# Altium PCB PCB2-v2.PcbDoc (part 7 of 8)
Units mil, origin at the board's own origin, x right, y up, seen from the top; angles counter-clockwise.
Board outline 4330.71 x 4330.71 mil, 2 copper layers (Top Layer, Bottom Layer); 153 components, 127 nets, 575 pads, 933 vias.
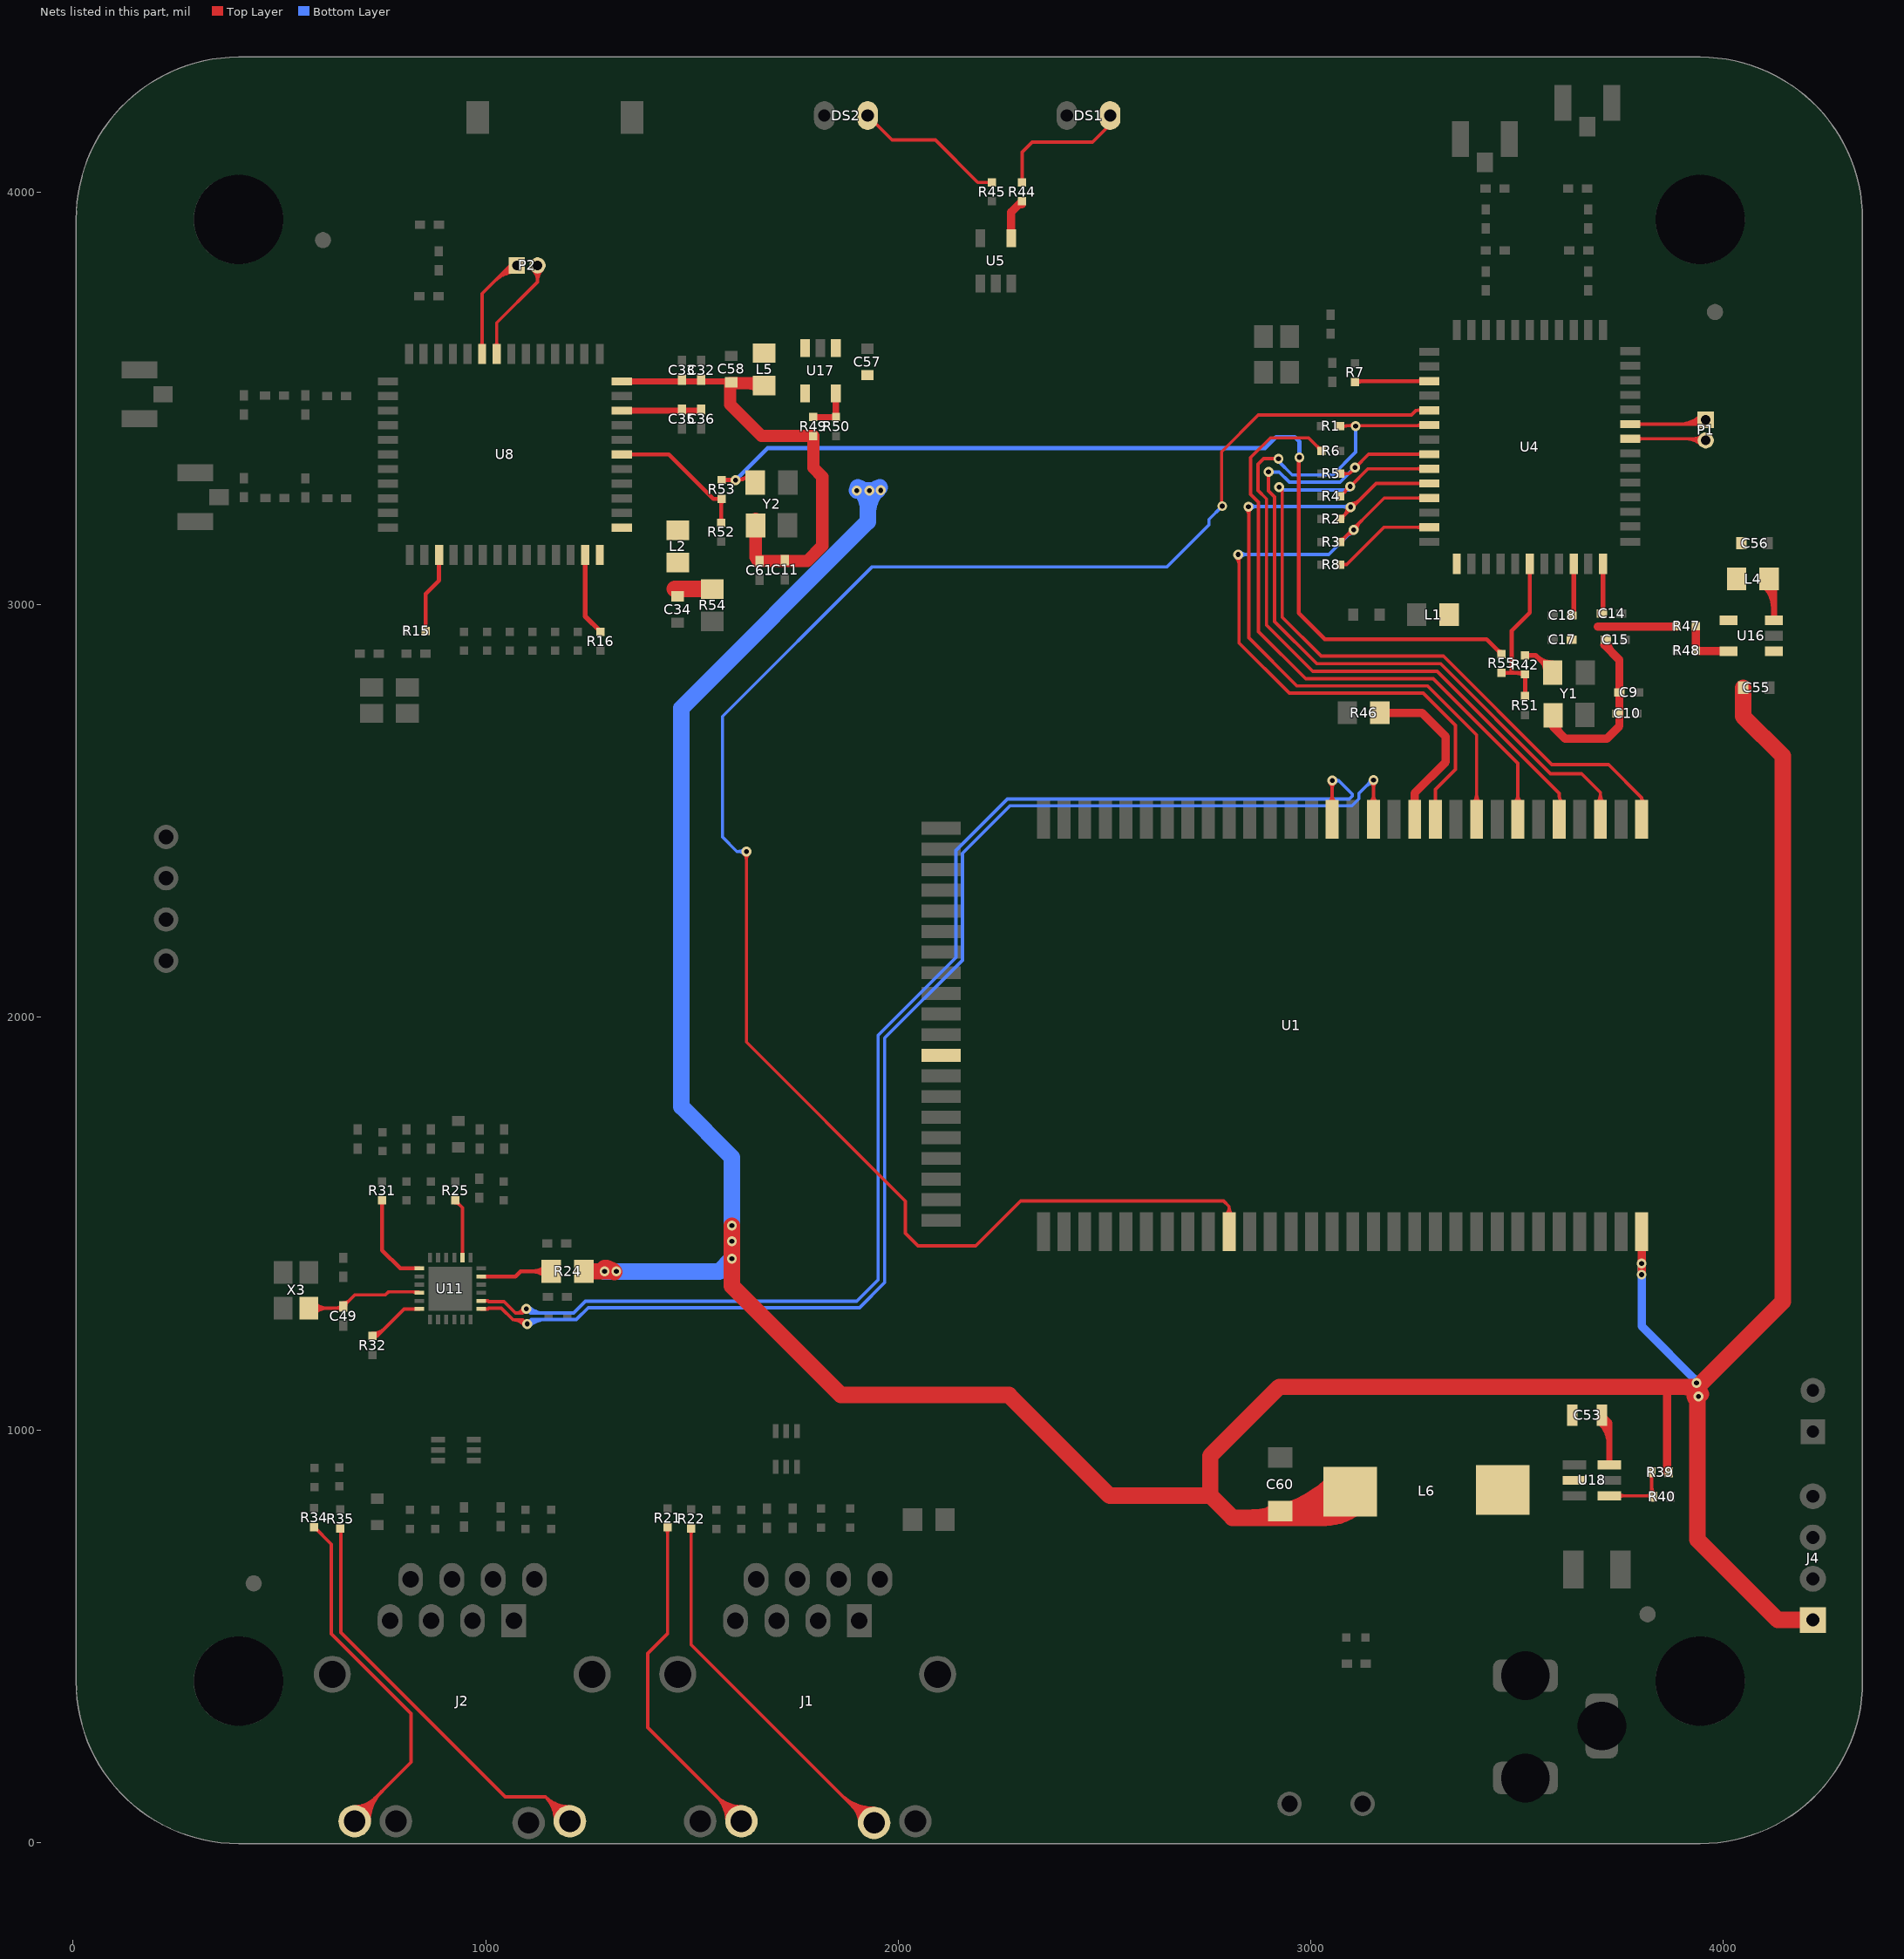
[diagram p7: the nets of this part, all layers, seen from the top]

## Via types
v1: diameter 24, hole 12, Top Layer to Bottom Layer, tented both sides, 931 vias
v2: diameter 78.74, hole 51.18, Top Layer to Bottom Layer, 2 vias

## Nets (pads, with @x,y where several pads share a name; then routed paths per layer and width w, separated by ;. In a path a pad name is that pad's centre, name@x,y a point inside that pad or via, vN(x,y) a via of type N, cw(c..) or ccw(c..) an arc to the next point about the centre after c; other vN are vias at no path point) (continued)
NetC49_1: C49.1 U11.22 X3.3 | length 938.9
  Top Layer w8: X3.3@571.54,1294.95 650.28,1294.95 C49.1@654.22,1298.89 682.33,1327 756.63,1327 763.96,1334.32 837.08,1334.32 U11.22@839.06,1332.35 ; X3.3@579.06,1287.43 cw(c597.22,1269.27) 597.22,1294.95 ; X3.3@579.06,1287.43 cw(c597.22,1269.27) 597.22,1294.95 ; X3.3@579.06,1287.43 cw(c597.22,1269.27) 597.22,1294.95 ; X3.3@579.06,1287.43 cw(c597.22,1269.27) 597.22,1294.95 ; X3.3@579.06,1302.47 ccw(c597.22,1320.63) 597.22,1294.95 ; X3.3@579.06,1302.47 ccw(c597.22,1320.63) 597.22,1294.95 ; X3.3@579.06,1302.47 ccw(c597.22,1320.63) 597.22,1294.95 ; X3.3@579.06,1302.47 ccw(c597.22,1320.63) 597.22,1294.95 ; X3.3@584.72,1281.77 cw(c616.54,1249.95) 616.54,1294.95 ; X3.3@584.72,1281.77 cw(c616.54,1249.95) 616.54,1294.95 ; X3.3@584.72,1281.77 cw(c616.54,1249.95) 616.54,1294.95 ; X3.3@584.72,1281.77 cw(c616.54,1249.95) 616.54,1294.95 ; X3.3@584.72,1308.13 ccw(c616.54,1339.94) 616.54,1294.95 ; X3.3@584.72,1308.13 ccw(c616.54,1339.94) 616.54,1294.95 ; X3.3@584.72,1308.13 ccw(c616.54,1339.94) 616.54,1294.95 ; X3.3@584.72,1308.13 ccw(c616.54,1339.94) 616.54,1294.95 ; 636.26,1294.95 ccw(c636.26,1314.34) C49.1@649.97,1300.63 ; 636.26,1294.95 ccw(c636.26,1314.34) C49.1@649.97,1300.63 ; 636.26,1294.95 ccw(c636.26,1314.34) C49.1@649.97,1300.63 ; 636.26,1294.95 ccw(c636.26,1314.34) C49.1@649.97,1300.63 ; 643.2,1294.95 cw(c643.2,1285.37) C49.1@649.97,1292.14 ; 643.2,1294.95 cw(c643.2,1285.37) C49.1@649.97,1292.14 ; 643.2,1294.95 cw(c643.2,1285.37) C49.1@649.97,1292.14 ; 643.2,1294.95 cw(c643.2,1285.37) C49.1@649.97,1292.14 ; C49.1@654.22,1307.39 ccw(c654.22,1327.91) 668.73,1313.4 ; C49.1@654.22,1307.39 ccw(c654.22,1327.91) 668.73,1313.4 ; C49.1@654.22,1307.39 ccw(c654.22,1327.91) 668.73,1313.4 ; C49.1@654.22,1307.39 ccw(c654.22,1327.91) 668.73,1313.4 ; C49.1@660.22,1301.39 cw(c668.67,1301.39) C49.1@662.69,1307.36 ; C49.1@660.22,1301.39 cw(c668.67,1301.39) C49.1@662.69,1307.36 ; C49.1@660.22,1301.39 cw(c668.67,1301.39) C49.1@662.69,1307.36 ; C49.1@660.22,1301.39 cw(c668.67,1301.39) C49.1@662.69,1307.36 ; 825.18,1334.33 cw(c825.18,1325.36) U11.22@831.52,1331.7 ; 825.18,1334.33 cw(c825.18,1325.36) U11.22@831.52,1331.7 ; 825.18,1334.33 cw(c825.18,1325.36) U11.22@831.52,1331.7 ; 825.18,1334.33 cw(c825.18,1325.36) U11.22@831.52,1331.7
NetC53_1: C53.1 U18.6 | length 396.6
  Top Layer w15: C53.1@3705.96,1035.11 3724.1,1016.97 U18.6@3724.1,915.03 ; C53.1@3702.08,1018.22 cw(c3648.91,965.05) 3724.1,965.05 ; C53.1@3702.08,1018.22 cw(c3648.91,965.05) 3724.1,965.05 ; C53.1@3702.08,1018.22 cw(c3648.91,965.05) 3724.1,965.05 ; C53.1@3712.68,1028.82 cw(c3685.12,1001.26) 3724.1,1001.26 ; C53.1@3712.68,1028.82 cw(c3685.12,1001.26) 3724.1,1001.26 ; C53.1@3712.68,1028.82 cw(c3685.12,1001.26) 3724.1,1001.26
NetC53_2: C53.2 L6.2 U18.2
NetDS1_K: DS1.K R44.1 | length 314.8
  Top Layer w8: R44.1@2299.89,4023.83 2300.18,4024.12 2300.18,4097.24 2324.53,4121.6 2470.94,4121.6 DS1.K@2513.67,4164.32
NetDS2_K: DS2.K R45.1 | length 368.6
  Top Layer w8: DS2.K@1925.83,4185.85 1985.07,4126.61 2090.18,4126.61 2192.96,4023.83 R45.1@2227.36,4023.83
NetJ1_10: J1.10 R21.2 | length 1494.6
  Top Layer w8: R21.2@1440.63,763.52 1440.63,505.85 1392.55,457.77 1392.55,278.5 J1.10@1619.82,51.23 ; 1440.63,749.03 ccw(c1426.14,749.03) 1436.39,759.27 cw(c1426.14,749.03) 1440.63,749.03 ; 1440.63,749.03 cw(c1455.12,749.03) 1444.87,759.27 ccw(c1455.12,749.03) 1440.63,749.03 ; 1559.44,111.61 ccw(c1619.82,171.99) 1619.82,86.6 cw(c1619.82,171.99) 1559.44,111.61 ; 1559.44,111.61 cw(c1499.06,51.23) 1584.45,51.23 ccw(c1499.06,51.23) 1559.44,111.61 ; 1573.1,97.96 ccw(c1619.82,144.68) 1619.82,78.6 cw(c1619.82,144.68) 1573.1,97.96 ; 1573.1,97.96 cw(c1526.37,51.23) 1592.45,51.23 ccw(c1526.37,51.23) 1573.1,97.96 ; 1586.75,84.3 ccw(c1619.82,117.37) 1619.82,70.6 cw(c1619.82,117.37) 1586.75,84.3 ; 1586.75,84.3 cw(c1553.69,51.23) 1600.45,51.23 ccw(c1553.69,51.23) 1586.75,84.3
NetJ1_11: J1.11 R22.2 | length 1634.1
  Top Layer w8: R22.2@1497.87,760.99 1497.87,478.95 1929.37,47.45 J1.11@1941.47,47.45 ; 1497.87,746.51 ccw(c1483.38,746.51) 1493.63,756.75 cw(c1483.38,746.51) 1497.87,746.51 ; 1497.87,746.51 cw(c1512.35,746.51) 1502.11,756.75 ccw(c1512.35,746.51) 1497.87,746.51 ; 1860.43,116.39 ccw(c1941.47,197.43) 1941.47,82.82 cw(c1941.47,197.43) 1860.43,116.39 ; 1874.09,102.73 ccw(c1941.47,170.12) 1941.47,74.82 cw(c1941.47,170.12) 1874.09,102.73 ; 1887.75,89.08 ccw(c1941.47,142.8) 1941.47,66.82 cw(c1941.47,142.8) 1887.75,89.08 ; 1889.65,87.17 cw(c1849.93,47.45) 1906.1,47.45 ccw(c1849.93,47.45) 1889.65,87.17 ; 1901.4,75.42 ccw(c1941.47,115.49) 1941.47,58.82 cw(c1941.47,115.49) 1901.4,75.42 ; 1903.31,73.51 cw(c1877.25,47.45) 1914.1,47.45 ccw(c1877.25,47.45) 1903.31,73.51
NetJ2_9: J2.9 R34.1 | length 1441.1
  Top Layer w8: R34.1@584.18,764.38 625.65,722.91 625.65,505.42 818.93,312.14 818.93,194.38 682.33,57.78 J2.9@682.33,51.23 ; J2.9@682.33,78.6 ccw(c682.33,128.87) 717.88,93.32 cw(c682.33,128.87) J2.9@682.33,78.6 ; J2.9@682.33,86.6 ccw(c682.33,156.18) 731.53,106.98 cw(c682.33,156.18) J2.9@682.33,86.6 ; J2.9@701.7,51.23 cw(c764.28,51.23) 720.03,95.48 ccw(c764.28,51.23) J2.9@701.7,51.23 ; J2.9@709.7,51.23 cw(c791.59,51.23) 733.69,109.14 ccw(c791.59,51.23) J2.9@709.7,51.23 ; J2.9@717.7,51.23 cw(c818.91,51.23) 747.35,122.79 ccw(c818.91,51.23) J2.9@717.7,51.23
NetJ2_12: J2.12 R35.1 | length 1599.1
  Top Layer w8: R35.1@646.93,760.93 649.13,758.73 649.13,508.56 1047.5,110.19 1145.03,110.19 ; J2.12@1202.83,51.23 J2.12@1203.99,51.23 1145.03,110.19 ; 1145.04,110.18 ccw(c1202.01,167.16) 1203.38,86.6 cw(c1202.01,167.16) 1145.04,110.18 ; 1145.04,110.18 cw(c1088.06,53.21) 1168.62,51.84 ccw(c1088.06,53.21) 1145.04,110.18 ; 1158.37,96.85 ccw(c1202.46,140.94) 1203.52,78.6 cw(c1202.46,140.94) 1158.37,96.85 ; 1158.37,96.85 cw(c1114.28,52.76) 1176.62,51.7 ccw(c1114.28,52.76) 1158.37,96.85 ; 1171.7,83.52 ccw(c1202.9,114.72) 1203.66,70.6 cw(c1202.9,114.72) 1171.7,83.52 ; 1171.7,83.52 cw(c1140.5,52.32) 1184.62,51.56 ccw(c1140.5,52.32) 1171.7,83.52
NetL1_1: L1.1 U4.26
NetL2_1: L2.1 U8.26 | length 9
  Top Layer w20: L2.1@1458.9,3187.11 L2.1@1465.24,3180.77
NetL4_2: L4.2 U16.3 | length 297.4
  Top Layer w15: L4.2@4110.91,3062.66 4122.72,3050.85 U16.3@4122.72,2962.27 ; L4.2@4099.51,3047.33 cw(c4043.47,2991.29) 4122.72,2991.29 ccw(c4043.47,2991.29) L4.2@4099.51,3047.33 ; L4.2@4110.12,3057.93 cw(c4079.69,3027.5) 4122.72,3027.5 ccw(c4079.69,3027.5) L4.2@4110.12,3057.93
NetL5_2: L5.2 U17.3
NetP1_1: P1.1 U4.45 | length 793.5
  Top Layer w8: U4.45@3774.6,3437.84 3946.71,3437.84 P1.1@3957.37,3448.49 ; U4.45@3793.5,3433.71 cw(c3803.47,3423.73) 3803.47,3437.84 ; U4.45@3793.5,3433.71 cw(c3803.47,3423.73) 3803.47,3437.84 ; U4.45@3793.5,3433.71 cw(c3803.47,3423.73) 3803.47,3437.84 ; U4.45@3793.5,3433.71 cw(c3803.47,3423.73) 3803.47,3437.84 ; U4.45@3793.5,3441.97 ccw(c3803.47,3451.94) 3803.47,3437.84 ; U4.45@3793.5,3441.97 ccw(c3803.47,3451.94) 3803.47,3437.84 ; U4.45@3793.5,3441.97 ccw(c3803.47,3451.94) 3803.47,3437.84 ; U4.45@3793.5,3441.97 ccw(c3803.47,3451.94) 3803.47,3437.84 ; 3893.78,3437.84 ccw(c3893.78,3512.08) P1.1@3946.28,3459.58 ; 3893.78,3437.84 ccw(c3893.78,3512.08) P1.1@3946.28,3459.58 ; 3893.78,3437.84 ccw(c3893.78,3512.08) P1.1@3946.28,3459.58 ; 3893.78,3437.84 ccw(c3893.78,3512.08) P1.1@3946.28,3459.58 ; 3913.09,3437.84 ccw(c3913.09,3492.76) P1.1@3951.93,3453.93 ; 3913.09,3437.84 ccw(c3913.09,3492.76) P1.1@3951.93,3453.93 ; 3913.09,3437.84 ccw(c3913.09,3492.76) P1.1@3951.93,3453.93 ; 3913.09,3437.84 ccw(c3913.09,3492.76) P1.1@3951.93,3453.93 ; 3932.41,3437.84 ccw(c3932.41,3473.45) P1.1@3957.59,3448.27 ; 3932.41,3437.84 ccw(c3932.41,3473.45) P1.1@3957.59,3448.27 ; 3932.41,3437.84 ccw(c3932.41,3473.45) P1.1@3957.59,3448.27 ; 3932.41,3437.84 ccw(c3932.41,3473.45) P1.1@3957.59,3448.27
NetP1_2: P1.2 U4.44 | length 611.2
  Top Layer w8: U4.44@3774.6,3402.4 3953.45,3402.4 P1.2@3957.37,3398.49 ; U4.44@3793.5,3398.27 cw(c3803.47,3388.3) 3803.47,3402.4 ; U4.44@3793.5,3398.27 cw(c3803.47,3388.3) 3803.47,3402.4 ; U4.44@3793.5,3398.27 cw(c3803.47,3388.3) 3803.47,3402.4 ; U4.44@3793.5,3398.27 cw(c3803.47,3388.3) 3803.47,3402.4 ; U4.44@3793.5,3406.54 ccw(c3803.47,3416.51) 3803.47,3402.4 ; U4.44@3793.5,3406.54 ccw(c3803.47,3416.51) 3803.47,3402.4 ; U4.44@3793.5,3406.54 ccw(c3803.47,3416.51) 3803.47,3402.4 ; U4.44@3793.5,3406.54 ccw(c3803.47,3416.51) 3803.47,3402.4 ; 3910.05,3402.4 cw(c3910.05,3351.18) P1.2@3946.28,3387.4 ; 3910.05,3402.4 cw(c3910.05,3351.18) P1.2@3946.28,3387.4 ; 3910.05,3402.4 cw(c3910.05,3351.18) P1.2@3946.28,3387.4 ; 3910.05,3402.4 cw(c3910.05,3351.18) P1.2@3946.28,3387.4 ; 3928.95,3402.4 ccw(c3928.95,3426.91) P1.2@3946.28,3409.58 ; 3928.95,3402.4 ccw(c3928.95,3426.91) P1.2@3946.28,3409.58 ; 3928.95,3402.4 ccw(c3928.95,3426.91) P1.2@3946.28,3409.58 ; 3928.95,3402.4 ccw(c3928.95,3426.91) P1.2@3946.28,3409.58 ; 3929.36,3402.4 cw(c3929.36,3370.49) P1.2@3951.93,3393.06 ; 3929.36,3402.4 cw(c3929.36,3370.49) P1.2@3951.93,3393.06 ; 3929.36,3402.4 cw(c3929.36,3370.49) P1.2@3951.93,3393.06 ; 3929.36,3402.4 cw(c3929.36,3370.49) P1.2@3951.93,3393.06
NetP2_1: P2.1 U8.45 | length 885.9
  Top Layer w8: U8.45@991.14,3607.9 991.14,3754.14 1059.5,3822.51 P2.1@1075.48,3822.51 ; U8.45@987.01,3626.8 ccw(c977.03,3636.77) 991.14,3636.77 ; U8.45@987.01,3626.8 ccw(c977.03,3636.77) 991.14,3636.77 ; U8.45@987.01,3626.8 ccw(c977.03,3636.77) 991.14,3636.77 ; U8.45@987.01,3626.8 ccw(c977.03,3636.77) 991.14,3636.77 ; 991.14,3636.77 ccw(c1005.24,3636.77) U8.45@995.27,3626.8 ; 991.14,3636.77 ccw(c1005.24,3636.77) U8.45@995.27,3626.8 ; 991.14,3636.77 ccw(c1005.24,3636.77) U8.45@995.27,3626.8 ; 991.14,3636.77 ccw(c1005.24,3636.77) U8.45@995.27,3626.8 ; 1021.43,3784.43 cw(c1075.48,3730.38) P2.1@1075.48,3806.82 ; 1021.43,3784.43 cw(c1075.48,3730.38) P2.1@1075.48,3806.82 ; 1021.43,3784.43 cw(c1075.48,3730.38) P2.1@1075.48,3806.82 ; 1021.43,3784.43 cw(c1075.48,3730.38) P2.1@1075.48,3806.82 ; 1035.08,3798.09 cw(c1075.48,3757.7) P2.1@1075.48,3814.82 ; 1035.08,3798.09 cw(c1075.48,3757.7) P2.1@1075.48,3814.82 ; 1035.08,3798.09 cw(c1075.48,3757.7) P2.1@1075.48,3814.82 ; 1035.08,3798.09 cw(c1075.48,3757.7) P2.1@1075.48,3814.82 ; 1048.74,3811.75 cw(c1075.48,3785.01) P2.1@1075.48,3822.82 ; 1048.74,3811.75 cw(c1075.48,3785.01) P2.1@1075.48,3822.82 ; 1048.74,3811.75 cw(c1075.48,3785.01) P2.1@1075.48,3822.82 ; 1048.74,3811.75 cw(c1075.48,3785.01) P2.1@1075.48,3822.82
NetP2_2: P2.2 U8.44 | length 582.1
  Top Layer w8: U8.44@1026.57,3607.9 1026.57,3683.58 1125.48,3782.48 P2.2@1125.48,3822.51 ; U8.44@1022.44,3626.8 ccw(c1012.47,3636.77) 1026.57,3636.77 ; U8.44@1022.44,3626.8 ccw(c1012.47,3636.77) 1026.57,3636.77 ; U8.44@1022.44,3626.8 ccw(c1012.47,3636.77) 1026.57,3636.77 ; U8.44@1022.44,3626.8 ccw(c1012.47,3636.77) 1026.57,3636.77 ; 1026.57,3636.77 ccw(c1040.68,3636.77) U8.44@1030.7,3626.8 ; 1026.57,3636.77 ccw(c1040.68,3636.77) U8.44@1030.7,3626.8 ; 1026.57,3636.77 ccw(c1040.68,3636.77) U8.44@1030.7,3626.8 ; 1026.57,3636.77 ccw(c1040.68,3636.77) U8.44@1030.7,3626.8 ; P2.2@1114.39,3811.42 cw(c1087.61,3784.64) 1125.48,3784.64 ; P2.2@1114.39,3811.42 cw(c1087.61,3784.64) 1125.48,3784.64 ; P2.2@1114.39,3811.42 cw(c1087.61,3784.64) 1125.48,3784.64 ; P2.2@1114.39,3811.42 cw(c1087.61,3784.64) 1125.48,3784.64 ; 1125.48,3784.64 cw(c1163.34,3784.64) P2.2@1136.57,3811.42 ; 1125.48,3784.64 cw(c1163.34,3784.64) P2.2@1136.57,3811.42 ; 1125.48,3784.64 cw(c1163.34,3784.64) P2.2@1136.57,3811.42 ; 1125.48,3784.64 cw(c1163.34,3784.64) P2.2@1136.57,3811.42
NetR7_2: R7.2 U4.14 | length 323
  Top Layer w10: U4.14@3287.36,3542.17 3109.48,3542.17 R7.2@3109.2,3541.89 ; R7.2@3109.2,3541.89 3108.89,3541.89 3106.97,3539.98 R7.2@3106.97,3539.66 R7.2@3109.2,3541.89 ; R7.2@3110.51,3536.13 cw(c3125.09,3521.55) 3125.09,3542.17 ; R7.2@3110.51,3536.13 cw(c3125.09,3521.55) 3125.09,3542.17 ; R7.2@3110.51,3536.13 cw(c3125.09,3521.55) 3125.09,3542.17 ; R7.2@3110.51,3536.13 cw(c3125.09,3521.55) 3125.09,3542.17 ; 3260.9,3542.17 cw(c3260.9,3530.48) U4.14@3269.17,3538.74 ; 3260.9,3542.17 ccw(c3260.9,3553.86) U4.14@3269.17,3545.59 ; 3260.9,3542.17 cw(c3260.9,3530.48) U4.14@3269.17,3538.74 ; 3260.9,3542.17 ccw(c3260.9,3553.86) U4.14@3269.17,3545.59 ; 3260.9,3542.17 ccw(c3260.9,3553.86) U4.14@3269.17,3545.59 ; 3260.9,3542.17 cw(c3260.9,3530.48) U4.14@3269.17,3538.74 ; 3260.9,3542.17 ccw(c3260.9,3553.86) U4.14@3269.17,3545.59 ; 3260.9,3542.17 cw(c3260.9,3530.48) U4.14@3269.17,3538.74
NetR8_2: R8.2 U4.24 | length 341.7
  Top Layer w8: R8.2@3071.73,3097.34 3086.97,3097.34 3177.47,3187.84 U4.24@3287.36,3187.84 ; 3258.49,3187.84 cw(c3258.49,3173.73) U4.24@3268.46,3183.71 ; 3258.49,3187.84 ccw(c3258.49,3201.94) U4.24@3268.46,3191.97 ; 3258.49,3187.84 cw(c3258.49,3173.73) U4.24@3268.46,3183.71 ; 3258.49,3187.84 ccw(c3258.49,3201.94) U4.24@3268.46,3191.97 ; 3258.49,3187.84 ccw(c3258.49,3201.94) U4.24@3268.46,3191.97 ; 3258.49,3187.84 cw(c3258.49,3173.73) U4.24@3268.46,3183.71 ; 3258.49,3187.84 ccw(c3258.49,3201.94) U4.24@3268.46,3191.97 ; 3258.49,3187.84 cw(c3258.49,3173.73) U4.24@3268.46,3183.71
NetR15_2: R15.2 U8.14 | length 333
  Top Layer w8: R15.2@850.14,2940.92 ccw(c838.4,2952.67) 855,2952.67 ; R15.2@854.38,2936.68 R15.2@855,2937.3 ; 855,2949.66 ccw(c867.37,2949.66) R15.2@858.62,2940.92
  Top Layer w10: R15.2@854.38,2936.68 854.38,3026.61 886.81,3059.03 U8.14@886.81,3120.66 ; R15.2@850.85,2940.22 ccw(c842.31,2948.75) 854.38,2948.75 ; R15.2@850.85,2940.22 ccw(c842.31,2948.75) 854.38,2948.75 ; R15.2@850.85,2940.22 ccw(c842.31,2948.75) 854.38,2948.75 ; 854.38,2948.75 ccw(c866.45,2948.75) R15.2@857.92,2940.22 ; 854.38,2948.75 ccw(c866.45,2948.75) R15.2@857.92,2940.22 ; 854.38,2948.75 ccw(c866.45,2948.75) R15.2@857.92,2940.22 ; U8.14@883.38,3102.47 cw(c875.12,3094.2) 886.81,3094.2 ; U8.14@883.38,3102.47 cw(c875.12,3094.2) 886.81,3094.2 ; U8.14@883.38,3102.47 cw(c875.12,3094.2) 886.81,3094.2 ; 886.81,3094.2 cw(c898.5,3094.2) U8.14@890.23,3102.47 ; 886.81,3094.2 cw(c898.5,3094.2) U8.14@890.23,3102.47 ; 886.81,3094.2 cw(c898.5,3094.2) U8.14@890.23,3102.47
NetR16_2: R16.2 U8.24 | length 201.6
  Top Layer w12: U8.24@1241.14,3120.66 1241.14,2971.92 R16.2@1278.54,2934.52
NetR24_2: R24.2 U11.11 | length 316.3
  Top Layer w10: U11.11@989.06,1371.72 1071.84,1371.72 1084.25,1384.13 R24.2@1158.99,1384.13 ; 1114.03,1384.13 ccw(c1114.03,1429.09) 1145.82,1397.3 cw(c1114.03,1429.09) 1114.03,1384.13 ; 1114.03,1384.13 cw(c1114.03,1339.17) 1145.82,1370.96 ccw(c1114.03,1339.17) 1114.03,1384.13
NetR25_2: R25.2 U11.14 | length 237.4
  Top Layer w8: R25.2@925.87,1556.21 943.59,1538.49 U11.14@943.59,1417.19 ; R25.2@925.87,1550.21 cw(c925.87,1535.72) 936.11,1545.97 ; R25.2@925.87,1550.21 cw(c925.87,1535.72) 936.11,1545.97 ; R25.2@925.87,1550.21 cw(c925.87,1535.72) 936.11,1545.97 ; R25.2@925.87,1550.21 cw(c925.87,1535.72) 936.11,1545.97 ; R25.2@931.87,1556.21 ccw(c946.36,1556.21) 936.11,1545.97 ; R25.2@931.87,1556.21 ccw(c946.36,1556.21) 936.11,1545.97 ; R25.2@931.87,1556.21 ccw(c946.36,1556.21) 936.11,1545.97 ; R25.2@931.87,1556.21 ccw(c946.36,1556.21) 936.11,1545.97
NetR31_2: R31.2 U11.19 | length 305.3
  Top Layer w10: R31.2@748.7,1556.21 748.7,1435.32 792.62,1391.4 U11.19@839.06,1391.4 ; R31.2@745.17,1552.67 cw(c736.63,1544.14) 748.7,1544.14 ; R31.2@745.17,1552.67 cw(c736.63,1544.14) 748.7,1544.14 ; R31.2@745.17,1552.67 cw(c736.63,1544.14) 748.7,1544.14 ; R31.2@745.17,1552.67 cw(c736.63,1544.14) 748.7,1544.14 ; 748.7,1544.14 cw(c760.78,1544.14) R31.2@752.24,1552.67 ; 748.7,1544.14 cw(c760.78,1544.14) R31.2@752.24,1552.67 ; 748.7,1544.14 cw(c760.78,1544.14) R31.2@752.24,1552.67 ; 748.7,1544.14 cw(c760.78,1544.14) R31.2@752.24,1552.67
NetR32_2: R32.2 U11.24 | length 405.8
  Top Layer w8: R32.2@725.08,1227.4 736.51,1227.4 ; U11.24@839.06,1292.98 802.09,1292.98 736.51,1227.4 ; R32.2@725.08,1225.4 ccw(c725.08,1248.16) 741.18,1232.06 ; R32.2@725.08,1225.4 ccw(c725.08,1248.16) 741.18,1232.06 ; R32.2@725.08,1225.4 ccw(c725.08,1248.16) 741.18,1232.06 ; R32.2@725.08,1225.4 ccw(c725.08,1248.16) 741.18,1232.06 ; R32.2@725.08,1233.4 ccw(c725.08,1275.47) 754.84,1245.72 ; R32.2@725.08,1233.4 ccw(c725.08,1275.47) 754.84,1245.72 ; R32.2@725.08,1233.4 ccw(c725.08,1275.47) 754.84,1245.72 ; R32.2@725.08,1233.4 ccw(c725.08,1275.47) 754.84,1245.72 ; R32.2@730.02,1223.99 cw(c736.51,1219.51) 736.51,1227.4 ; R32.2@730.02,1223.99 cw(c736.51,1219.51) 736.51,1227.4 ; R32.2@730.02,1223.99 cw(c736.51,1219.51) 736.51,1227.4 ; R32.2@730.02,1223.99 cw(c736.51,1219.51) 736.51,1227.4 ; R32.2@730.02,1230.8 ccw(c736.51,1235.28) 736.51,1227.4 ; R32.2@730.02,1230.8 ccw(c736.51,1235.28) 736.51,1227.4 ; R32.2@730.02,1230.8 ccw(c736.51,1235.28) 736.51,1227.4 ; R32.2@730.02,1230.8 ccw(c736.51,1235.28) 736.51,1227.4
NetR39_1: R39.1 R40.2 U18.4 | length 536.9
  Top Layer w8: U18.4@3724.1,840.22 3824.16,840.22 3826.13,838.26 3826.13,893.37 R39.1@3822.19,897.31 ; U18.4@3746.64,835.4 cw(c3758.3,823.74) 3758.3,840.22 ; U18.4@3746.64,835.4 cw(c3758.3,823.74) 3758.3,840.22 ; U18.4@3746.64,835.4 cw(c3758.3,823.74) 3758.3,840.22 ; U18.4@3746.64,835.4 cw(c3758.3,823.74) 3758.3,840.22 ; U18.4@3746.64,845.05 ccw(c3758.3,856.71) 3758.3,840.22 ; U18.4@3746.64,845.05 ccw(c3758.3,856.71) 3758.3,840.22 ; U18.4@3746.64,845.05 ccw(c3758.3,856.71) 3758.3,840.22 ; U18.4@3746.64,845.05 ccw(c3758.3,856.71) 3758.3,840.22 ; 3815.51,840.22 ccw(c3815.51,854.82) R40.2@3825.82,844.5 ; 3815.51,840.22 ccw(c3815.51,854.82) R40.2@3825.82,844.5 ; 3815.51,840.22 ccw(c3815.51,854.82) R40.2@3825.82,844.5 ; 3815.51,840.22 ccw(c3815.51,854.82) R40.2@3825.82,844.5 ; 3815.66,840.22 cw(c3815.66,825.85) R40.2@3825.82,836.01 ; 3815.66,840.22 cw(c3815.66,825.85) R40.2@3825.82,836.01 ; 3815.66,840.22 cw(c3815.66,825.85) R40.2@3825.82,836.01 ; 3815.66,840.22 cw(c3815.66,825.85) R40.2@3825.82,836.01 ; R39.1@3821.89,891.07 cw(c3811.65,880.83) 3826.13,880.83 ; R39.1@3821.89,891.07 cw(c3811.65,880.83) 3826.13,880.83 ; R39.1@3821.89,891.07 cw(c3811.65,880.83) 3826.13,880.83 ; R39.1@3821.89,891.07 cw(c3811.65,880.83) 3826.13,880.83 ; 3826.13,864.25 ccw(c3854.06,864.25) R40.2@3834.31,844.5 ; 3826.13,864.25 ccw(c3854.06,864.25) R40.2@3834.31,844.5 ; 3826.13,864.25 ccw(c3854.06,864.25) R40.2@3834.31,844.5 ; 3826.13,864.25 ccw(c3854.06,864.25) R40.2@3834.31,844.5 ; 3826.13,880.82 cw(c3840.62,880.82) R39.1@3830.37,891.07 ; 3826.13,880.82 cw(c3840.62,880.82) R39.1@3830.37,891.07 ; 3826.13,880.82 cw(c3840.62,880.82) R39.1@3830.37,891.07 ; 3826.13,880.82 cw(c3840.62,880.82) R39.1@3830.37,891.07
NetR42_2: R42.2 Y1.3 | length 276.3
  Top Layer w12: R42.2@3519.69,2877.33 3545.05,2877.33 Y1.3@3586.48,2835.89 ; 3548,2874.38 ccw(c3584.2,2910.57) Y1.3@3585.9,2859.41 ; 3548,2874.38 ccw(c3584.2,2910.57) Y1.3@3585.9,2859.41 ; 3548,2874.38 ccw(c3584.2,2910.57) Y1.3@3585.9,2859.41 ; 3560.58,2861.8 cw(c3540.58,2841.8) Y1.3@3568.86,2841.8 ; 3560.58,2861.8 cw(c3540.58,2841.8) Y1.3@3568.86,2841.8 ; 3560.58,2861.8 cw(c3540.58,2841.8) Y1.3@3568.86,2841.8
NetR44_2: R44.2 U5.4 | length 107
  Top Layer w20: U5.4@2273.77,3888.94 2273.77,3951.71 R44.2@2299.89,3977.83 R44.2@2299.89,3970.54
NetR47_1: R47.1 R48.2 U16.5 | length 139.6
  Top Layer w12: R48.2@3933.1,2888.77 R48.2@3934.41,2887.47
  Top Layer w20: R48.2@3933.1,2888.77 R47.1@3933.12,2948.49 ; R48.2@3934.41,2887.47 U16.5@4012.48,2887.47
NetR49_1: R49.1 R50.2 U17.5 | length 112.5
  Top Layer w15: R49.1@1794.11,3454.8 1804.94,3454.8 R50.2@1848.86,3454.8 ; U17.5@1848.69,3511.99 1848.69,3455.17 1848.69,3454.97 R50.2@1848.86,3454.8 ; R50.2@1849.23,3455.17 R50.2@1848.86,3454.8